# Altium PCB QCopterMV__Pcb.PcbDoc (part 2 of 2)
Units mil, origin at the board's own origin, x right, y up, seen from the top; angles counter-clockwise.
Board outline 2750 x 1310 mil, 2 copper layers (Top Layer, Bottom Layer); 63 components, 104 nets, 338 pads, 113 vias.
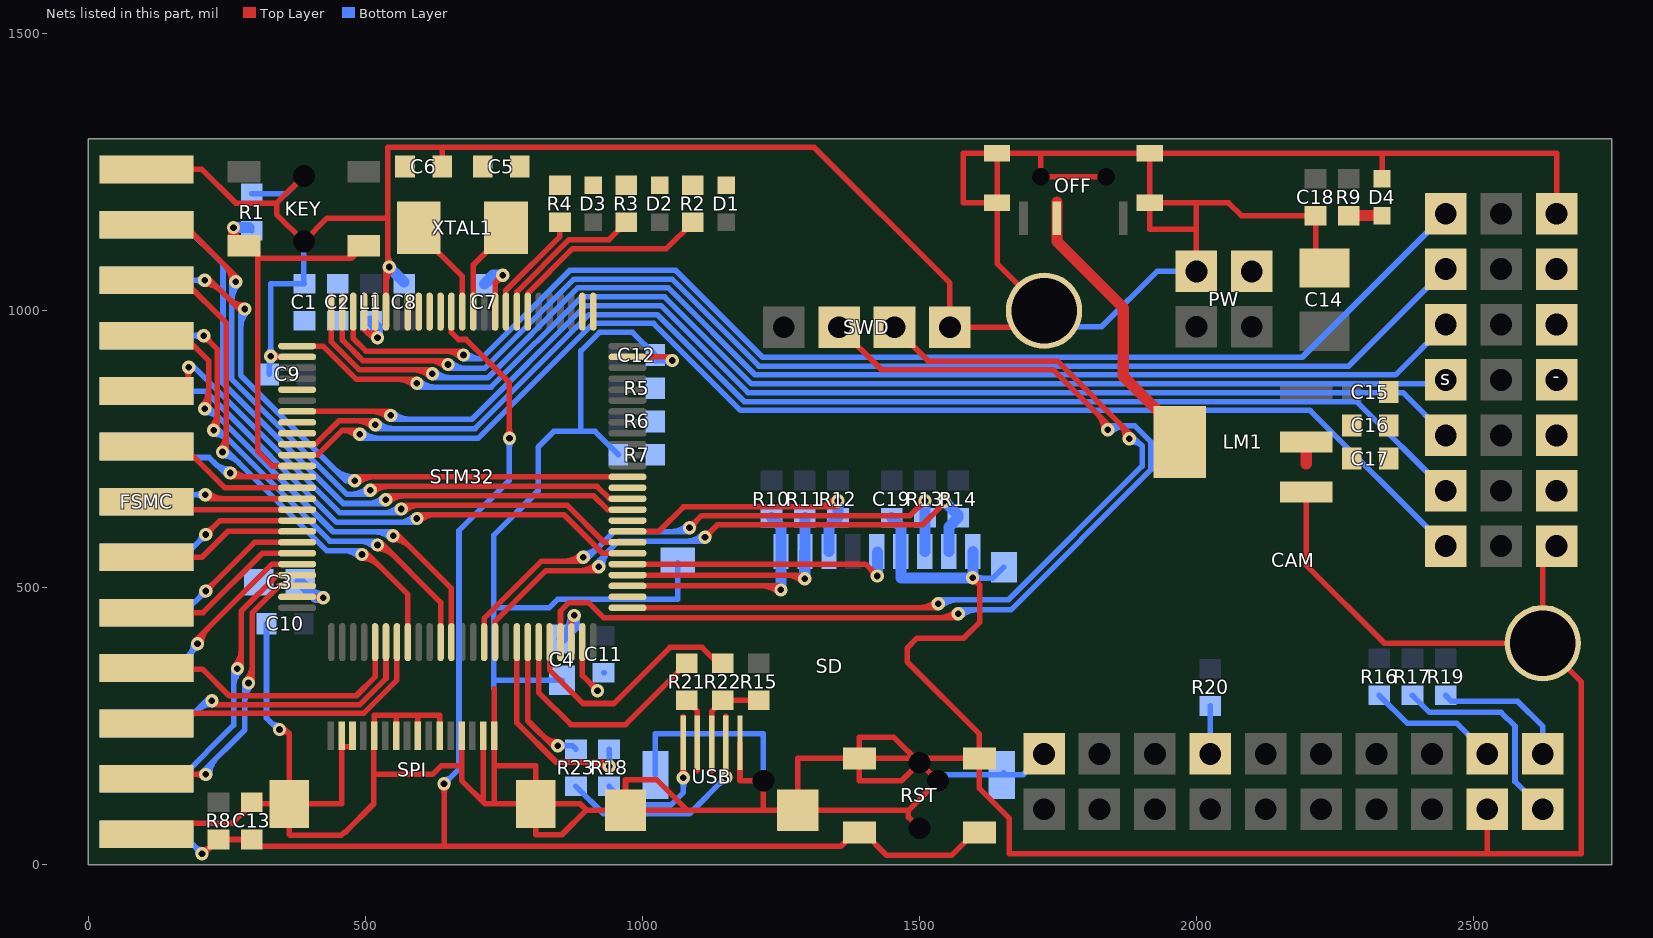
[diagram p2: the nets of this part, all layers, seen from the top]

## Via types
v1: diameter 24, hole 12, Top Layer to Bottom Layer, 113 vias

## Nets (pads, with @x,y where several pads share a name; then routed paths per layer and width w, separated by ;. In a path a pad name is that pad's centre, name@x,y a point inside that pad or via, vN(x,y) a via of type N, cw(c..) or ccw(c..) an arc to the next point about the centre after c; other vN are vias at no path point) (continued)
GND: -.1 -.2 -.3 -.4 -.5 -.6 -.7 C1.2 C2.2 C3.2 C4.2 C5.1 C6.1 C7.1 C8.1 C9.1 C10.1 C11.1 C12.1 C13.2 C14.2 C15.1 C16.1 C17.1 C18.1 C19.1 CAM.0 CAM.2 CAM.17 D4.2 FSMC.2 FSMC.26 KEY.0 LM1.1 OFF.0 PW.2 PW.4 R1.1 R7.2 RST.0 RST.2 SD.6 SD.9 SPI.0 SPI.2 SPI.3 SPI.5 SPI.7 SPI.9 SPI.11 SPI.13 SPI.15 SPI.16 STM32.10 STM32.20 STM32.27 STM32.74 STM32.99 SWD.4 USB. USB.5 | length 16280.5
  Top Layer w10: FSMC.2@105,1255 205,1255 266,1194 339.94,1194 ; FSMC.26@125,75 260,75 295.02,110.02 348.56,110.02 SPI.0@362.56,96.02 ; v1(329,918) 330.46,916.54 STM32.27@376.77,916.54 ; v1@333.95,913.05 cw(c342.36,904.64) STM32.27@342.36,916.54 ; v1@333.95,922.95 ccw(c349.44,938.44) STM32.27@349.44,916.54 ; v1(345,244) 355,244 362.56,236.44 ; v1@348.69,238.05 cw(c354.61,228.49) 362.56,236.44 ; KEY.0@389,1243.06 339.94,1194 ; SPI.2@457.05,212.98 SPI.3@476.73,212.98 ; SPI.2@457.05,232.98 457.05,110 SPI.0@362.56,110.02 ; 515.1,163 621,163 637,179 673.58,179 ; SPI.5@515.1,232.98 515.1,110 464.1,59 462.32,59 456.76,53.44 364.06,53.44 362.56,54.94 SPI.0@362.56,96.02 ; SPI.5@516.1,232.98 516.1,269.57 555.47,269.57 ; STM32.20@537.2,998.23 537.2,1073.2 v1(543,1079) ; 537.2,1048.11 cw(c573.89,1048.11) v1@547.95,1074.05 ; v1@540,1079 540,1167 ; 540,1103.14 ccw(c567.14,1103.14) v1@547.95,1083.95 ; SPI.7@555.47,232.98 555.47,269.57 ; SPI.9@594.84,232.98 594.84,269.57 ; SPI.11@634.21,232.98 634.21,269.57 594.84,269.57 ; C6.1@638.46,1260 638.46,1295 ; SPI.13@673.58,232.98 673.58,152.35 715.9,110.02 SPI.0@807.44,110.02 ; 712.95,112.98 SPI.15@712.95,232.98 ; 732.64,112.66 732.64,317.36 ; 732.64,179 807.44,179 SPI.0@807.44,110.02 ; STM32.10@734.06,998.23 734.06,1050.06 v1(748,1064) ; v1@741,1064 cw(c724.1,1064) 736.05,1052.05 cw(c748,1040.1) v1@748,1057 ; STM32.74@891.54,401.77 891.54,341.46 v1(919,314) ; v1@912,314 ccw(c895.1,314) 907.05,325.95 ccw(c919,337.9) v1@919,321 ; USB.@969.49,98.16 1218.5,98.16 ; STM32.99@973.23,916.54 1047.46,916.54 v1(1054,910) ; 1080.34,98.66 1025.51,153.49 969.49,153.49 969.49,98.66 899,98.66 ; USB.5@1176.18,220 1176.18,151.61 SD.6@1218.5,151.61 1218.5,98.16 ; 1507.87,58.07 1480.01,85.94 1480.01,98.16 ; v1@1596,511 cw(c1596,494.1) 1607.95,506.05 cw(c1619.9,518) v1@1603,518 ; v1(1596,518) 1609,505 1609,438 1580,409 1496,409 1478,391 1478,366 1608.27,235.73 RST.2@1608.27,191.93 ; OFF.0@1837.06,1242 OFF.0@1718.94,1242 1718.94,1284.24 ; PW.2@2000,1071 2000,1194.76 ; 2000,1147 1915.8,1147 OFF.0@1915.8,1194.76 ; LM1.1@2198.17,672.84 2198.17,540.83 2339,400 CAM.0@2625,400 ; C14.2@2231,1077.09 2215,1093.09 C18.1@2215,1171.54 2081.22,1171.54 2058,1194.76 2000,1194.76 ; D4.2@2335,1238.46 2335,1284.24 ; 2525,30 2525,20 ; CAM.17@2525,100 2525,20 ; -.7@2650,575 2625,550 CAM.0@2625,400 ; -.1@2650,1175 2650,1284.24 2335,1284.24 ; 339.94,1194 339.94,1174 KEY.0@389,1124.94 431.06,1167 540,1167 ; SPI.0@362.56,96.02 SPI.0@362.56,110.02 ; SPI.0@362.56,110.02 362.56,236.44 ; 540,1167 540,1295 638.46,1295 ; 555.47,269.57 594.84,269.57 ; 638.46,1295 1310,1295 1555,1050 SWD.4@1555,970 1695,970 CAM.0@1725,1000 1640.2,1084.8 OFF.0@1640.2,1194.76 ; SPI.0@807.44,110.02 807.44,54.06 854.4,54.06 899,98.66 ; SPI.0@807.44,110.02 887.64,110.02 899,98.66 ; 1218.5,98.16 USB.@1280.51,98.16 ; USB.@1280.51,98.16 1480.01,98.16 ; USB.@1280.51,98.16 1280.51,191.93 RST.2@1391.73,191.93 ; RST.2@1391.73,191.93 1391.73,151.61 1467.56,151.61 1507.87,191.93 RST.2@1608.27,191.93 ; RST.2@1391.73,191.93 1391.73,230 1454.06,230 RST.0@1500,184.06 ; RST.2@1391.73,191.93 1492.13,191.93 RST.0@1500,184.06 ; 1480.01,98.16 SD.6@1533.46,151.61 1532.44,151.61 1526.03,158.03 RST.0@1500,184.06 ; RST.2@1608.27,191.93 1608.27,137.73 1662,84 1662,20 2525,20 ; OFF.0@1640.2,1194.76 1578.76,1194.76 1578.76,1284.24 OFF.0@1640.2,1284.24 ; OFF.0@1640.2,1194.76 OFF.0@1640.2,1284.24 ; OFF.0@1640.2,1284.24 1718.94,1284.24 ; 1718.94,1284.24 OFF.0@1915.8,1284.24 ; OFF.0@1915.8,1194.76 OFF.0@1915.8,1284.24 ; OFF.0@1915.8,1194.76 2000,1194.76 ; OFF.0@1915.8,1284.24 2335,1284.24 ; 2525,20 2695,20 2695,330 CAM.0@2625,400
  Bottom Layer w10: R1.1@295,1211.46 357.41,1211.46 KEY.0@389,1243.06 ; C10.1@321.54,435 321.54,264.46 v1@345,241 ; v1@324.05,922.95 ccw(c312.1,934.9) 329,934.9 ccw(c345.9,934.9) v1@333.95,922.95 ; C9.1@326.54,885 326.54,915.54 v1(329,918) 329,1048.46 C1.2@390,1048.46 ; C9.1@326.54,895.15 cw(c351.85,895.15) v1@333.95,913.05 ; 327.93,258.07 ccw(c345,275.14) v1@345,251 ; C1.2@389,1049.46 KEY.0@389,1124.94 ; C8.1@570,1048.46 C8.1@570,1052 ; 732,317.36 732,464 ; 732.6,332.6 C4.2@855,332.6 ; 889,783 889,927.53 922.47,961 982.46,961 C12.1@1023.46,920 1023.46,910 v1(1054,910) ; C11.1@930,346.54 C11.1@931.54,346.54 ; R7.2@956.54,740 914.54,782 840,782 812,754 812,675 732,595 732,464 ; SD.6@1023.46,162.36 1023.46,236.54 1218.5,236.54 SD.6@1218.5,151.61 ; v1@1049.05,905.05 ccw(c1037.1,893.1) 1037.1,910 ccw(c1037.1,926.9) v1@1049.05,914.95 ; SD.6@1063.9,545.32 1063.9,479 847,479 832,464 732,464 ; SD.6@1533.46,151.61 1544.21,162.36 SD.6@1648.7,162.36 ; v1@1596.46,517.46 1632.71,517.46 SD.6@1652.56,537.32 ; v1@1600.95,513.05 cw(c1611.61,502.39) 1611.61,517.46 ; v1@1600.95,522.95 ccw(c1614.19,536.19) 1614.19,517.46 ; SD.6@1652.56,166.22 SD.6@1648.7,162.36 ; CAM.2@1725,200 1687.36,162.36 SD.6@1648.7,162.36 ; CAM.0@1725,1000 1754,971 1829,971 1929,1071 PW.2@2000,1071
  Bottom Layer w20: v1(543,1079) C8.1@570,1052 ; v1@747.99,1062 ccw(c747.68,1015.79) C7.1@715,1048.46 730.54,1064 v1(748,1064) ; C19.1@1450,626.54 1466.54,610 SD.6@1466.54,565 1466.54,517.46 v1@1594.91,517.46 ; v1@1596.46,519.01 SD.9@1596.46,565
KEY: KEY.2 R1.2 STM32.37 | length 772.3
  Top Layer w10: KEY.2@280.73,1117.07 294.93,1117.07 KEY.2@305.32,1106.68 ; STM32.37@376.77,719.68 332.32,719.68 305.32,746.68 KEY.2@305.32,1106.68 ; KEY.2@497.27,1117.07 474.46,1094.26 305.32,1094.26 KEY.2@305.32,1106.68
  Top Layer w20: v1(262,1150) 262,1117.07 KEY.2@280.73,1117.07
  Bottom Layer w10: R1.2@289.54,1150 R1.2@295,1144.54
  Bottom Layer w20: v1(262,1150) R1.2@289.54,1150
LCD_CS: FSMC.5 STM32.88 | length 1363.9
  Top Layer w10: v1@210,1048 cw(c210,1006.96) 239.02,1035.98 ; v1@210,1058 cw(c210,1041.1) 221.95,1053.05 ; v1@215,1060 v1@277,998 ; 252.98,1022.02 ccw(c282,1051.04) v1@282,1010 ; 270.05,1004.95 ccw(c282,1016.9) v1@282,1000 ; v1@481,700 STM32.88@973.23,700 ; v1@485.95,688.05 cw(c514.8,659.2) 514.8,700
  Bottom Layer w10: FSMC.5@105,1055 v1(210,1055) ; v1@205.05,1050.05 ccw(c193.1,1038.1) 193.1,1055 ccw(c193.1,1071.9) v1@205.05,1059.95 ; 275,969.2 cw(c315.8,969.2) v1@286.95,998.05 ; v1@275,1003 275,883 465,693 ; 441.74,716.26 ccw(c481,755.53) v1@481,700 ; 458.81,699.19 ccw(c481,721.38) v1@481,690 ; v1@475.86,688.25 ccw(c465,678.22) 465,693 ; v1@475.86,697.75 cw(c465,707.78) 465,693 ; v1(481,693) 465,693
  other v1: 282,1003
LCD_D0: FSMC.7 STM32.61 | length 1094
  Top Layer w10: v1@208,948 cw(c208,931.1) 219.95,943.05 cw(c231.9,955) v1@215,955 ; v1(208,955) 233,930 v1@233,784 ; v1@221.05,788.95 ccw(c192.2,817.8) 233,817.8 ; v1@522,570 cw(c522,528.96) 551.02,557.98 ; v1@522,580 cw(c522,563.1) 533.95,575.05 ; v1@526.81,582.19 635.63,473.37 STM32.61@635.63,401.77
  Bottom Layer w10: FSMC.7@105,955 v1(208,955) ; v1@203.05,950.05 ccw(c191.1,938.1) 191.1,955 ccw(c191.1,971.9) v1@203.05,959.95 ; v1@226,777 cw(c226,735.96) 255.02,764.98 ; v1@226,787 cw(c226,770.1) 237.95,782.05 ; v1@231,789 436,584 v1@522,584 ; 488.2,584 cw(c488.2,543.2) v1@517.05,572.05
  other v1: 522,577 226,784
LCD_D1: FSMC.8 STM32.62 | length 974
  Top Layer w10: FSMC.8@172,955 217,910 v1@217,823 ; v1@205.05,827.95 ccw(c176.2,856.8) 217,856.8 ; v1@550,587 cw(c550,545.96) 579.02,574.98 ; v1@550,597 cw(c550,580.1) 561.95,592.05 ; v1@555,599 655.31,498.69 STM32.62@655.31,401.77
  Bottom Layer w10: v1@210,816 cw(c210,774.96) 239.02,803.98 ; v1@210,826 cw(c210,809.1) 221.95,821.05 ; v1@214.68,828.32 442,601 v1@550,601 ; 516.2,601 cw(c516.2,560.2) v1@545.05,589.05
  other v1: 550,594 210,823
LCD_D2: FSMC.9 STM32.81 | length 1059.4
  Top Layer w10: v1@593,632 858,632 927.8,562.2 STM32.81@973.23,562.2 ; v1@597.95,620.05 cw(c626.8,591.2) 626.8,632
  Bottom Layer w10: FSMC.9@105,855 211,855 448,618 v1@593,618 ; 559.2,618 ccw(c559.2,658.8) v1@588.05,629.95
  other v1: 593,625
LCD_D3: FSMC.10 STM32.82 | length 1135.1
  Top Layer w10: FSMC.10@105,855 180,855 180,897 v1(181,898) ; v1@176.05,893.05 cw(c166.51,883.51) 180,883.51 ; FSMC.10@180,878.69 cw(c200.31,878.69) v1@185.95,893.05 ; v1@565,649 864,649 931.11,581.89 STM32.82@973.23,581.89 ; v1@569.95,637.05 cw(c598.8,608.2) 598.8,649
  Bottom Layer w10: v1@186,903 454,635 v1@565,635 ; 531.2,635 ccw(c531.2,675.8) v1@560.05,646.95
  other v1: 565,642
LCD_D4: FSMC.11 STM32.38 | length 306.9
  Top Layer w10: v1@257,700 STM32.38@376.77,700 ; v1@260.95,711.95 ccw(c289.8,740.8) 289.8,700
  Bottom Layer w10: FSMC.11@163,755 183,735 218,735 v1@250.75,702.25 ; 226.98,726.02 ccw(c256,755.04) v1@256,714 ; 244.05,708.95 ccw(c256,720.9) v1@256,704
  other v1: 256,707
LCD_D5: FSMC.12 STM32.39 | length 235.7
  Top Layer w10: FSMC.12@172,755 246.69,680.31 STM32.39@376.77,680.31
LCD_D6: FSMC.13 STM32.40 | length 332.1
  Top Layer w10: v1@208.88,665.88 ccw(c221.55,678.55) 221.55,660.63 ; v1@211.34,660.63 STM32.40@376.77,660.63 ; v1@215.95,672.95 ccw(c245.69,702.69) 245.69,660.63
  Bottom Layer w10: FSMC.13@118,668 v1(211,668) ; v1@206.05,663.05 ccw(c194.1,651.1) 194.1,668 ccw(c194.1,684.9) v1@206.05,672.95
LCD_D7: FSMC.14 STM32.41 | length 257.7
  Top Layer w10: FSMC.14@119.06,640.94 STM32.41@376.77,640.94
LCD_D8: FSMC.15 STM32.42 | length 286.3
  Top Layer w10: v1(212,596) 237.26,621.26 STM32.42@376.77,621.26 ; v1@212,603 ccw(c212,619.9) 223.95,607.95 ccw(c235.9,596) v1@219,596
  Bottom Layer w10: FSMC.15@171,555 v1(212,596) ; v1@205,596 cw(c188.1,596) 200.05,584.05 cw(c212,572.1) v1@212,589
LCD_D9: FSMC.16 STM32.43 | length 291.1
  Top Layer w10: FSMC.16@105,555 205,555 251.57,601.57 STM32.43@376.77,601.57
LCD_D10: FSMC.17 STM32.44 | length 309.4
  Top Layer w10: v1(212,494) 299.89,581.89 STM32.44@376.77,581.89 ; v1@212,501 ccw(c212,517.9) 223.95,505.95 ccw(c235.9,494) v1@219,494
  Bottom Layer w10: FSMC.17@173,455 v1(212,494) ; v1@205,494 cw(c188.1,494) 200.05,482.05 cw(c212,470.1) v1@212,487
LCD_D11: FSMC.18 STM32.45 | length 316.2
  Top Layer w10: FSMC.18@105,455 207,455 314.2,562.2 STM32.45@376.77,562.2
LCD_D12: FSMC.19 STM32.46 | length 405.2
  Top Layer w10: v1@192.5,403.5 331.52,542.52 STM32.46@376.77,542.52 ; v1@204,399 cw(c242.63,399) 215.31,426.31
  Bottom Layer w10: FSMC.19@105,355 FSMC.19@153,355 ; FSMC.19@158,355 v1@202,399 ; FSMC.19@181.51,378.51 ccw(c161.03,399) v1@190,399
  other v1: 197,399
LCD_D13: FSMC.20 STM32.55 | length 445.3
  Top Layer w10: FSMC.20@169,353 206,353 254,305 483.53,305 517.52,338.99 STM32.55@517.52,401.77
LCD_D14: FSMC.21 STM32.56 | length 510
  Top Layer w10: v1@223,289 490.15,289 537.2,336.05 STM32.56@537.2,401.77
  Bottom Layer w10: FSMC.21@172,255 v1@218,301 ; 193.98,276.98 cw(c223,247.96) v1@223,289 ; 211.05,294.05 cw(c223,282.1) v1@223,299
  other v1: 223,296
LCD_D15: FSMC.22 STM32.57 | length 535.5
  Top Layer w10: FSMC.22@115,273 496.78,273 556.89,333.11 STM32.57@556.89,401.77
LCD_INT: FSMC.24 STM32.48 | length 656.6
  Top Layer w10: FSMC.24@113,163 v1(212,163) ; v1@207.05,158.05 ccw(c195.1,146.1) 195.1,163 ccw(c195.1,179.9) v1@207.05,167.95 ; v1@284.05,332.95 ccw(c255.2,361.8) 296,361.8 ; v1@296,327 296,455.14 344.01,503.15 STM32.48@376.77,503.15
  Bottom Layer w10: v1@206,167 282.26,243.26 v1@282.26,328.74 ; v1@209,163 cw(c225.9,163) 213.95,174.95 ; v1@219,163 cw(c260.04,163) 231.02,192.02 ; 282.26,294.84 cw(c322.16,294.84) v1@293.95,323.05
  other v1: 289,328
LCD_RD: FSMC.3 STM32.85 | length 1210
  Top Layer w10: v1@537,666 912,666 937.06,640.94 STM32.85@973.23,640.94 ; v1@541.95,654.05 cw(c570.8,625.2) 570.8,666
  Bottom Layer w10: FSMC.3@172,1155 243,1084 243,869 460,652 v1@537,652 ; 503.2,652 ccw(c503.2,692.8) v1@532.05,663.95
  other v1: 537,659
LCD_RS: FSMC.6 STM32.58 | length 1015.2
  Top Layer w10: FSMC.6@172,1055 249,978 v1@249,745 ; v1@237.05,749.95 ccw(c208.2,778.8) 249,778.8 ; v1@494,553 cw(c494,511.96) 523.02,540.98 ; v1@494,563 cw(c494,546.1) 505.95,558.05 ; v1@499,565 576.57,487.43 STM32.58@576.57,401.77
  Bottom Layer w10: v1@242,738 cw(c242,696.96) 271.02,725.98 ; v1@242,748 cw(c242,731.1) 253.95,743.05 ; v1@247,750 430,567 v1@494,567 ; 460.2,567 cw(c460.2,526.2) v1@489.05,555.05
  other v1: 494,560 242,745
LCD_WAIT: FSMC.23 STM32.47 | length 535.8
  Top Layer w10: v1@264.05,358.95 ccw(c235.2,387.8) 276,387.8 ; v1@276,353 276,457.77 341.06,522.83 STM32.47@376.77,522.83
  Bottom Layer w10: FSMC.23@165,155 262,252 v1@262,354 ; 262,320.2 cw(c302.8,320.2) v1@273.95,349.05
  other v1: 269,354
LCD_WR: FSMC.4 STM32.86 | length 1264.9
  Top Layer w10: FSMC.4@172,1156 v1@271,1057 ; 246.98,1081.02 cw(c217.96,1052) v1@259,1052 ; 264.05,1063.95 cw(c252.1,1052) v1@269,1052 ; v1@511,683 918.09,683 940.46,660.63 STM32.86@973.23,660.63 ; v1@513.95,671.05 cw(c542.8,642.2) 542.8,683
  Bottom Layer w10: 259,1018.2 cw(c299.8,1018.2) v1@270.95,1047.05 ; v1@259,1052 259,876 466,669 v1@509,669 ; 475.2,669 ccw(c475.2,709.8) v1@504.05,680.95
  other v1: 509,676 266,1052
LED_B: R4.1 STM32.9 | length 201.6
  Top Layer w10: STM32.9@753.74,998.23 753.74,1036.88 851,1134.14 R4.1@851,1159.54
LED_G: R3.1 STM32.8 | length 285.3
  Top Layer w10: STM32.8@773.43,998.23 773.43,1033.94 867.81,1128.32 939.79,1128.32 R3.1@971,1159.54
LED_R: R2.1 STM32.7 | length 383.9
  Top Layer w10: STM32.7@793.11,998.23 793.11,1030.99 874.12,1112 1043.46,1112 R2.1@1091,1159.54
NetCAM_8: CAM.8 R20.1 | length 117.7
  Bottom Layer w10: CAM.8@2001,214.63 2001,201.37 CAM.8@2013.69,188.69 ; CAM.8@2025,200 R20.1@2025,286.54
NetCAM_18: CAM.18 R16.1 | length 238.8
  Bottom Layer w10: R16.1@2330,305.79 2380.79,255 2470,255 CAM.18@2525,200
NetCAM_19: CAM.19 R17.2 | length 378.8
  Bottom Layer w10: R17.2@2390,305.79 2420.79,275 2550,275 2575,250 2575,150 CAM.19@2625,100
NetCAM_20: CAM.20 R19.1 | length 248.1
  Bottom Layer w10: R19.1@2450,305.79 2460.79,295 2580,295 2625,250 CAM.20@2625,200
NetD1_2: D1.2 R2.2
NetD2_2: D2.2 R3.2
NetD3_2: D3.2 R4.2
NetD4_1: D4.1 R9.1 | length 60
  Top Layer w20: R9.1@2275,1171.54 D4.1@2335,1171.54
NetR5_1: R5.1 R6.2 R7.1
NetR15_1: R15.1 R22.1 USB.3 | length 200.3
  Top Layer w10: 1125,170 1125,276.54 R22.1@1145,296.54 R15.1@1210.46,296.54
NetR21_1: R21.1 USB.2 | length 134.6
  Top Layer w10: R21.1@1080,296.54 1099.41,277.13 1099.41,170
NetR23_1: R23.1 USB.4 | length 481.3
  Top Layer w10: v1@1146.05,162.95 ccw(c1135.09,173.91) USB.4@1150.59,173.91 ; v1@1150.59,158.41 USB.4@1150.59,267.81 ; USB.4@1150.59,175.89 ccw(c1168.89,175.89) v1@1155.95,162.95
  Bottom Layer w10: R23.1@880,141.54 929.48,92.06 1085.06,92.06 v1(1151,158) ; v1@1144,158 cw(c1127.1,158) 1139.05,146.05 cw(c1151,134.1) v1@1151,151
NetSTM1_1: STM32.1
NetSTM1_2: STM32.2
NetSTM1_15: STM32.15
NetSTM1_16: STM32.16
NetSTM1_17: STM32.17
NetSTM1_18: STM32.18
NetSTM1_30: STM32.30
NetSTM1_33: STM32.33
NetSTM1_34: STM32.34
NetSTM1_87: STM32.87
OSC1: C5.2 STM32.12 XTAL1.2 | length 176.2
  Top Layer w10: STM32.12@694.69,998.23 694.69,1082.68 753.74,1141.74 XTAL1.2@753.74,1150
OSC2: C6.2 STM32.13 XTAL1.1 | length 184.4
  Top Layer w10: XTAL1.1@596.26,1150 596.26,1140.74 675,1062 STM32.13@675,998.23
PWM1: s.1 STM32.23 | length 2330.6
  Top Layer w10: STM32.23@478.15,998.23 478.15,949.73 500.88,927 v1@677,927 ; 643.2,927 cw(c643.2,886.2) v1@672.05,915.05
  Bottom Layer w10: v1@677,913 709,913 ; v1@682.14,924.75 ccw(c709,949.57) 709,913 ; s.1@2450,1175 2191,916 1217,916 1060,1073 869,1073 709,913
  other v1: 677,920
PWM2: s.2 STM32.24 | length 2326.5
  Top Layer w10: STM32.24@458.46,998.23 458.46,946.79 495.25,910 v1@649,910 ; 615.2,910 cw(c615.2,869.2) v1@644.05,898.05
  Bottom Layer w10: v1@649,896 715.37,896 876.37,1057 1053.37,1057 1210.37,900 2275,900 s.2@2450,1075 ; v1@653.95,907.95 ccw(c682.8,936.8) 682.8,896
  other v1: 649,903
PWM3: s.3 STM32.25 | length 2320.6
  Top Layer w10: STM32.25@438.78,998.23 438.78,943.85 489.63,893 v1@621,893 ; 587.2,893 cw(c587.2,852.2) v1@616.05,881.05
  Bottom Layer w10: v1@621,879 721,879 883,1041 1046.75,1041 1203.75,884 2359,884 s.3@2450,975 ; v1@625.95,890.95 ccw(c654.8,919.8) 654.8,879
  other v1: 621,886
PWM4: s.4 STM32.26 | length 2294.8
  Top Layer w10: STM32.26@376.77,936.22 423.78,936.22 484,876 v1@593,876 ; 559.2,876 cw(c559.2,835.2) v1@588.05,864.05
  Bottom Layer w10: v1@593,862 727,862 890,1025 1040.12,1025 1197.12,868 s.4@2450,868 ; v1@597.95,873.95 ccw(c626.8,902.8) 626.8,862
  other v1: 593,869
PWM5: s.5 STM32.32 | length 2332.7
  Top Layer w10: STM32.32@376.77,818.11 v1@545.89,818.11 ; 511.94,818.11 cw(c511.94,776.93) v1@541.05,806.05 ; 536.08,818.11 cw(c536.08,801.08) v1@548.12,813.12
  Bottom Layer w10: v1@546,804 692,804 897,1009 1033.49,1009 1190.49,852 2373,852 s.5@2450,775 ; v1@550.95,815.95 ccw(c579.8,844.8) 579.8,804
  other v1: 546,811
PWM6: s.6 STM32.35 | length 2371.7
  Top Layer w10: STM32.35@376.77,759.06 409.96,759.06 451.91,801 v1@518,801 ; 484.2,801 cw(c484.2,760.2) v1@513.05,789.05
  Bottom Layer w10: v1@518,787 698,787 904,993 1026.86,993 1183.86,836 2289,836 s.6@2450,675 ; v1@522.95,798.95 ccw(c551.8,827.8) 551.8,787
  other v1: 518,794
PWM7: s.7 STM32.36 | length 2406.2
  Top Layer w10: STM32.36@376.77,739.37 413.37,739.37 458,784 ; v1@484.86,772.25 ccw(c458,747.43) 458,784 ; v1@490,784 458,784
  Bottom Layer w10: v1@490,770 704,770 911,977 1020.24,977 1177.24,820 2205,820 s.7@2450,575 ; v1@494.95,781.95 ccw(c523.8,810.8) 523.8,770
  other v1: 490,777
RST: C13.1 FSMC.25 R8.2 RST.1 STM32.14 | length 2733.1
  Top Layer w10: v1(205,20) 209.46,20 R8.2@235,45.54 C13.1@295,45.54 307.54,33 642,33 ; v1@205,27 ccw(c205,54.68) R8.2@224.57,35.11 ; v1@637.05,141.05 cw(c625.1,129.1) 642,129.1 cw(c658.9,129.1) v1@646.95,141.05 ; v1(642,146) 642,33 ; STM32.14@655.31,998.23 655.31,960.69 668,948 682,948 760,870 v1(760,770) ; v1@755.05,774.95 ccw(c743.1,786.9) 760,786.9 ccw(c776.9,786.9) v1@764.95,774.95 ; RST.1@1608.27,58.07 1599.07,58.07 1558,17 1441,17 1399.93,58.07 RST.1@1391.73,58.07 1383.07,58.07 1358,33 642,33
  Bottom Layer w10: FSMC.25@170,55 v1(205,20) ; v1@198,20 ccw(c181.1,20) 193.05,31.95 ccw(c205,43.9) v1@205,27 ; v1(642,146) 669,173 669,603 760,694 v1(760,770) ; v1@642,153 ccw(c642,169.9) 653.95,157.95 ccw(c665.9,146) v1@649,146 ; v1@755.05,765.05 cw(c743.1,753.1) 760,753.1 cw(c776.9,753.1) v1@764.95,765.05
SD_CLK: SD.5 STM32.80 | length 530.6
  Top Layer w10: STM32.80@973.23,542.52 1402.48,542.52 v1(1424,521) ; v1@1417,521 ccw(c1400.1,521) 1412.05,532.95 ccw(c1424,544.9) v1@1424,528
  Bottom Layer w10: SD.5@1423.23,565 SD.5@1424,564.23
  Bottom Layer w20: v1(1424,521) SD.5@1424,564.23
SD_CMD: R12.2 SD.3 STM32.83 | length 569.6
  Top Layer w10: STM32.83@973.23,601.57 1029.57,601.57 1074,646 1352,646 v1@1357,651 ; 1309.54,646 ccw(c1309.54,700.46) v1@1348.05,661.95 ; 1333.69,646 ccw(c1333.69,676.31) v1@1355.12,654.88
  Bottom Layer w20: SD.3@1336.61,565 1336.61,610.15 R12.2@1353,626.54 v1(1353,657)
SD_D0: R13.2 SD.7 STM32.65 | length 1177.3
  Top Layer w10: STM32.65@714.37,401.77 714.37,444.37 818,548 v1@894,548 ; 859.2,548 ccw(c859.2,588.8) v1@888.05,559.95 ; v1@1085,615 ccw(c1085,631.9) 1096.95,619.95 ccw(c1108.9,608) v1@1092,608 ; v1@1090,603 1090,613 1107,630 1483,630 v1(1510,657) ; v1@1503,657 cw(c1486.1,657) 1498.05,645.05 cw(c1510,633.1) v1@1510,650
  Bottom Layer w10: v1@893,552 ccw(c893,568.9) 904.95,556.95 ; v1@893,562 ccw(c893,603.04) 922.02,574.02 ; v1@898,550 949,601 v1@1086,601 ; 1051.2,601 ccw(c1051.2,641.8) v1@1080.05,612.95
  Bottom Layer w20: SD.7@1509.84,565 1509.84,626.38 R13.2@1510,626.54 v1(1510,657)
  other v1: 893,555 1085,608
SD_D1: R14.2 SD.8 STM32.66 | length 1198.4
  Top Layer w10: STM32.66@734.06,401.77 734.06,439.06 826,531 v1@920,531 ; 887.2,531 ccw(c887.2,571.8) v1@916.05,542.95 ; v1@1108,596 1118,596 1136,614 1506,614 v1@1544.32,652.32 ; v1@1113,598 ccw(c1113,614.9) 1124.95,602.95 ccw(c1136.9,591) v1@1120,591 ; 1530.93,638.93 ccw(c1513.86,656) v1@1538,656
  Bottom Layer w10: v1@916,543 957,584 v1@1113,584 ; v1@918,538 cw(c934.9,538) 922.95,549.95 ; v1@928,538 cw(c969.04,538) 940.02,567.02 ; 1079.2,584 ccw(c1079.2,624.8) v1@1108.05,595.95
  Bottom Layer w20: v1(1545,656) 1570,631 R14.2@1570,626.54 1553.15,609.69 SD.8@1553.15,565
  other v1: 921,538 1113,591
SD_D2: R10.2 SD.1 STM32.78 | length 460.1
  Top Layer w10: STM32.78@973.23,503.15 v1@1249.85,503.15 ; 1215.84,503.15 cw(c1215.84,461.84) v1@1245.05,491.05 ; 1239.98,503.15 cw(c1239.98,485.98) v1@1252.12,498.12
  Bottom Layer w20: R10.2@1233,626.54 1250,609.54 SD.1@1250,565 v1(1250,496)
SD_D3: R11.2 SD.2 STM32.79 | length 461.5
  Top Layer w10: STM32.79@973.23,522.83 v1@1293.17,522.83 ; 1259.6,522.83 cw(c1259.6,482.6) v1@1288.05,511.05
  Bottom Layer w20: v1(1293,516) SD.2@1293,564.69 ; SD.2@1293.31,565 R11.2@1293.31,626.23
SW_CLK: STM32.76 SWD.3 | length 1746.8
  Top Layer w10: STM32.76@973.23,463.78 v1@1533.78,463.78 ; SWD.3@1455,970 1516,909 1749,909 v1@1884,774 ; 1499.67,463.78 ccw(c1499.67,505.33) v1@1529.05,475.95 ; 1523.81,463.78 ccw(c1523.81,481.19) v1@1536.12,468.88 ; 1859.98,798.02 cw(c1830.96,769) v1@1872,769 ; 1877.05,780.95 cw(c1865.1,769) v1@1882,769
  Bottom Layer w10: v1@1535,478 1660.37,478 1902,719.63 1902,756 ; v1@1538.95,466.05 cw(c1567.8,437.2) 1567.8,478 ; v1@1880.56,762.18 cw(c1885.69,739.7) 1902,756 ; v1@1884,774 1902,756
  other v1: 1534,471 1879,769
SW_DIO: STM32.72 SWD.2 | length 2090.3
  Top Layer w10: STM32.72@852.17,401.77 852.17,457.69 867.47,473 903,473 930,446 v1@1570,446 ; SWD.2@1355,970 1432,893 1742,893 v1@1845,790 ; 1536.2,446 ccw(c1536.2,486.8) v1@1565.05,457.95 ; 1820.98,814.02 cw(c1791.96,785) v1@1833,785 ; 1838.05,796.95 cw(c1826.1,785) v1@1843,785
  Bottom Layer w10: v1@1570,460 1665,460 1918,713 1918,763 1889,792 v1@1840,792 ; v1@1574.95,448.05 cw(c1603.8,419.2) 1603.8,460 ; v1@1844.95,780.05 cw(c1873.8,751.2) 1873.8,792
  other v1: 1570,453 1840,785
USB_DM: R21.2 STM32.70 | length 427.6
  Top Layer w10: STM32.70@812.8,401.77 812.8,311.2 871,253 969.54,253 R21.2@1080,363.46
USB_DP: R22.2 STM32.71 | length 441.6
  Top Layer w10: STM32.71@832.48,401.77 832.48,351.52 893,291 948.37,291 1049.55,392.18 1107.82,392.18 1136.54,363.46 R22.2@1145,363.46
USB_ID: R23.2 STM32.69 | length 305
  Top Layer w10: STM32.69@793.11,401.77 793.11,259.89 v1@843,210 ; 819.69,233.31 ccw(c847,260.63) v1@847,222
  Bottom Layer w10: v1(847,215) 873.46,215 R23.2@880,208.46 ; v1@851.95,210.05 cw(c863.9,198.1) 863.9,215 cw(c863.9,231.9) v1@851.95,219.95
USB_OC: STM32.77
USB_PSW: STM32.84
USB_VBUS: R18.2 STM32.68 | length 430.8
  Top Layer w10: STM32.68@773.43,401.77 773.43,256.05 844.47,185 v1@940,185 ; 906.2,185 cw(c906.2,144.2) v1@935.05,173.05
  Bottom Layer w10: v1@935.05,182.95 ccw(c923.1,194.9) 940,194.9 ccw(c956.9,194.9) v1@944.95,182.95 ; v1(940,178) R18.2@940,208.46
VBUS: R18.1 USB.1 | length 346.9
  Top Layer w10: v1@1069.05,161.95 ccw(c1057.54,173.46) USB.1@1073.82,173.46 ; v1@1073.82,157.18 USB.1@1073.82,267.32 ; USB.1@1073.82,174.34 ccw(c1091.34,174.34) v1@1078.95,161.95
  Bottom Layer w10: R18.1@940,141.54 973.48,108.06 1051.64,108.06 1074,130.41 v1(1074,157) ; v1@1069.05,152.05 cw(c1057.1,140.1) 1074,140.1 cw(c1090.9,140.1) v1@1078.95,152.05
VCAP1: C3.1 STM32.49 | length 155.1
  Top Layer w10: STM32.49@376.77,483.46 v1@422.54,483.46 ; STM32.49@403.56,483.46 cw(c403.56,461.56) v1@419.05,477.05 ; STM32.49@410.64,483.46 ccw(c410.64,495.36) v1@419.05,486.95
  Bottom Layer w20: C3.1@382.4,510 410.4,482 v1(424,482) ; C3.1@397.37,495.03 ccw(c424,521.66) v1@424,484
VCAP2: C4.1 STM32.73 | length 144.9
  Top Layer w10: STM32.73@871.85,401.77 871.85,444.85 v1(877,450)
  Bottom Layer w20: C4.1@855,407.4 877,429.4 v1(877,450) ; C4.1@859.02,411.42 ccw(c820.44,450) v1@875,450
VCC3: C16.2 C17.2 LM1.2 OFF.2 | length 610.6
  Top Layer w20: OFF.2@1748,1196 1748,1125 1868,1005 1868,881 1933,816 1933,790 1960,763 LM1.2@1969.83,763 LM1.2@1969.83,723 ; 2198.17,723 LM1.2@2198.17,763
VDDA: C1.1 C2.1 L1.2 STM32.21 STM32.22 | length 197.5
  Top Layer w10: STM32.22@497.83,998.23 STM32.22@497.83,966.17 ; v1@517.52,955.48 STM32.21@517.52,998.23 ; v1@518,946 STM32.22@497.83,966.17 ; v1@521.23,957.96 cw(c518.07,986.4) STM32.22@497.84,966.16
  Bottom Layer w20: v1@520.02,951.29 ccw(c484.9,956.44) L1.2@510,981.54 522,969.54 v1(522,951)
pads on no net: OFF.3

## Polygon pours and split planes (outlines as drawn)
GND on Bottom Layer "Top Layer-No Net" (hatched 90Degree grid 6 track 8, remove dead copper, pour order 3): 0,1310 2750,1310 2750,0 0,0
GND on Top Layer "Top Layer-No Net" (hatched 90Degree grid 6 track 8, remove dead copper, pour order 4): 0,1310 2750,1310 2750,0 0,0

## Keep-outs
Keep-Out Layer:
  the board outline again, w0

## Other copper
Top Layer:
  rectangle net VCC3: 2006,713 2298.25,813
  rectangle net GND: 2150,653 2366,692
  rectangle net GND: 2329.75,665 2366,873
  rectangle net 5V: 2151,833 2298.25,873
  rectangle net NetD1_2: 1071,1208.75 1167,1245
  rectangle net NetD2_2: 951,1208.75 1047,1245
  rectangle net NetD3_2: 831,1208.75 927,1245
  rectangle net GND: 2612,537 2688,1213
  rectangle net GND: 620.75,1236.38 729.25,1283.62
  rectangle net OSC1: 714,1102 797,1198
  rectangle net OSC1: 761,1102 797,1280
  rectangle net OSC2: 553,1102 636,1198
  rectangle net OSC2: 553,1102 590,1280
  rectangle net 5V: 2512,537 2588,1213
  rectangle net GND: 1962,1033 2138,1109
  rectangle net 5V: 1962,933 2138,1009
  pour cut-out: 1950,1169 1881,1169 1881,1220 1950,1220
  pour cut-out: 1606,1220 1675,1220 1675,1169 1606,1169
  pour cut-out: 1882,1310 1951,1310 1951,1259 1882,1259
  pour cut-out: 1606,1310 1675,1310 1675,1259 1606,1259
  pour cut-out: -15,1325 210,1325 210,-10 -15,-10
  pour cut-out: 762,165 853,165 853,56 762,56
  pour cut-out: 317,164 408,164 408,55 317,55
  pour cut-out: 746,269 746,193 421,193 421,269
  pour cut-out: 1017,50 922,50 922,146 1017,146
  pour cut-out: 1328,50 1233,50 1233,146 1328,146
  pour cut-out: 1352,222 1432,222 1432,162 1352,162
  pour cut-out: 1568,222 1648,222 1648,162 1568,162
Bottom Layer:
  rectangle net 3V3: 897,1159 1167,1202
  rectangle net GND: 2612,537 2688,1213
  rectangle net GND: 550,1030.75 735,1067
  rectangle net GND: 370,1030.75 470,1067
  rectangle net 3V3: 1213,675.75 1590,712
  rectangle net 3V3: 938,840 974.25,940
  rectangle net NetR5_1: 1005.75,720 1042,880
  rectangle net GND: 831,306 950,364.25
  rectangle net VDDA: 370,963 532,999.25
  rectangle net GND: 281,415 340,534
  rectangle net 5V: 2512,537 2588,1213
  rectangle net GND: 1962,1033 2138,1109
  rectangle net 5V: 1962,933 2138,1009
  pour cut-out: -15,1325 210,1325 210,-10 -15,-10

## Silkscreen, mask and mechanical layers (free items; w line width, h text height)
Top Overlay:
  drawing of 3135 lines, arcs and shapes, not listed
  text "QCopter" at 1695,400 h100
  text "MachineVision v1.0" at 1695,275 h60
Mechanical 1:
  the board outline again, w0
Mechanical 13:
  circle w1: c2624.94,400 r118.11
  circle w1: c1724.94,1000 r118.11

## Dimensions
2750,1310 to 2750,0 on Mechanical 13
0,1310 to 2750,1310 on Mechanical 13